# Altium PCB STguitar.PcbDoc (part 3 of 3)
Units mm, origin at the board's own origin, x right, y up, seen from the top; angles counter-clockwise.
Board outline 150 x 90 mm, 4 copper layers (Top Layer, Signal 1, Signal 2, Bottom Layer), stack 0.746 mm thick; 215 components, 199 nets, 877 pads, 342 vias.
Unrouted connection lines stored in the file: 196.
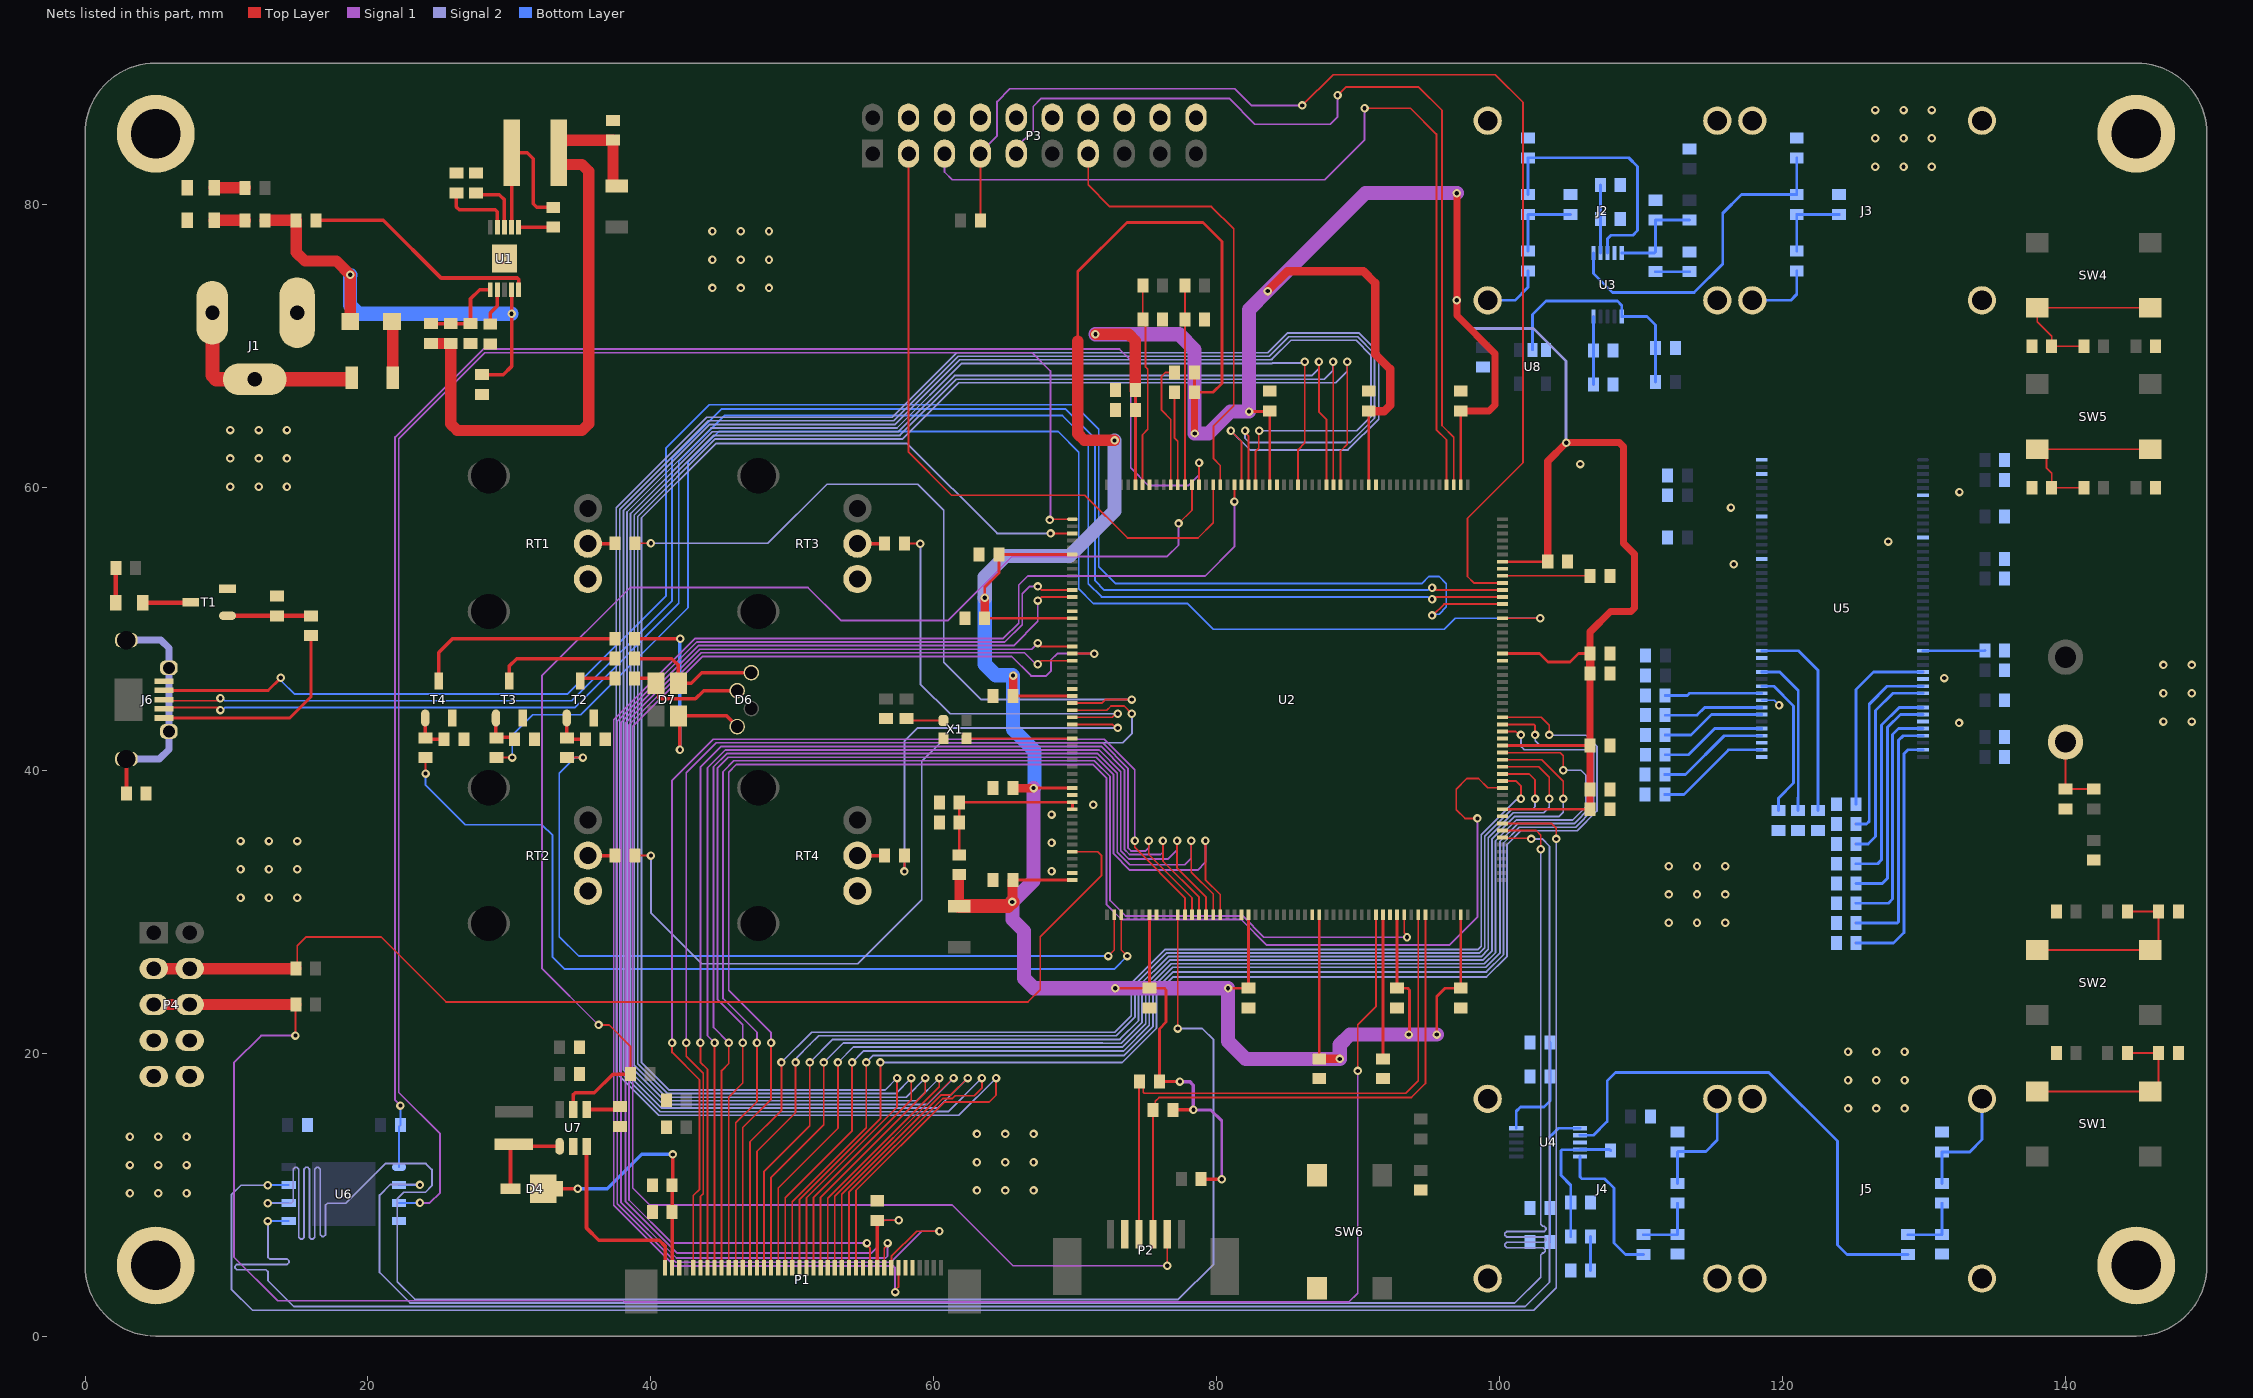
[diagram p5: the nets of this part, all layers, seen from the top]

## Via types
v1: diameter 0.6, hole 0.3, Top Layer to Bottom Layer, 342 vias

## Nets (pads, with @x,y where several pads share a name; then routed paths per layer and width w, separated by ;. In a path a pad name is that pad's centre, name@x,y a point inside that pad or via, vN(x,y) a via of type N, cw(c..) or ccw(c..) an arc to the next point about the centre after c; other vN are vias at no path point) (continued)
GND: C2.1 C4.1 C5.1 C6.1 C7.1 C8.1 C9.1 C10.1 C11.1 C12.1 C13.1 C14.1 C15.1 C16.1 C17.1 C18.1 C19.1 C20.1 C21.1 C22.1 C23.1 C24.1 C25.1 C26.1 C27.1 C28.1 C29.1 C30.1 C31.1 C32.1 C33.1 C35.1 C37.1 C38.1 C40.1 C41.1 C42.1 C43.1 C44.1 C45.1 C47.1 C49.1 C51.1 C52.1 C53.1 C54.1 C55.1 C56.1 C57.1 C58.1 C59.1 C60.1 C61.1 C62.1 C63.1 C64.1 C65.1 C66.1 C67.1 C68.1 C69.1 C70.1 C71.1 C72.1 C73.1 C74.1 C75.1 C76.1 C77.1 C78.1 C79.1 C80.1 C81.1 C82.1 D2.1 D3.1 J1.1 J2.1 J2.2 J2.4 J3.1 J3.2 J3.4 J4.1 J4.2 J4.4 J5.1 J5.2 J5.4 J6.5 MP1.0 MP2.0 MP3.0 MP4.0 P1.3 P1.29 P1.35 P1.36 P2.2 P3.4 P3.6 P3.8 P3.10 P3.12 P3.14 P3.16 P3.18 P3.20 P4.7 P4.8 P4.9 P4.10 R5.1 R6.1 R14.1 R16.1 R18.1 R19.1 R21.2 R24.1 R25.1 R27.1 R29.1 R30.2 R31.2 R32.2 R33.2 R34.2 R35.2 R36.2 R37.2 R38.2 R39.2 R40.2 R41.2 R42.2 R43.2 R44.2 R45.2 R46.1 R47.1 R49.1 R51.1 R54.1 R55.2 R62.2 R68.2 R75.2 R79.1 R80.1 R82.1 R85.1 R86.1 RT1.1 RT2.1 RT3.1 RT4.1 SW6.1 SW6.2 T1.3 T2.3 T3.3 T4.3 U1.11 U2.14 U2.25 U2.40 U2.51 U2.60 U2.72 U2.82 U2.93 U2.114 U2.125 U2.136 U2.149 U2.170 U2.184 U2.202 U3.9 U4.8 U5.6 U5.12 U5.32 U5.38 U5.44 U5.46 U5.52 U5.58 U5.72 U5.78 U5.84 U5.86 U6.4 U7.2 U8.3 X1.2 | length 1.4
  Bottom Layer w0.127: U5.52@118.525,44.95 119.4,44.95 v1(119.75,44.6)
  other v1: 3.175,10.1 5.175,10.1 7.175,10.1 63.05,10.3 65.05,10.3 67.05,10.3 3.175,12.1 5.175,12.1 7.175,12.1 63.05,12.3 65.05,12.3 67.05,12.3 3.175,14.1 5.175,14.1 7.175,14.1 63.05,14.3 65.05,14.3 67.05,14.3 124.625,16.1 126.625,16.1 128.625,16.1 124.625,18.1 126.625,18.1 128.625,18.1 124.625,20.1 126.625,20.1 128.625,20.1 111.95,29.225 113.95,29.225 115.95,29.225 11,31 13,31 15,31 111.95,31.225 113.95,31.225 115.95,31.225 68.325,32.875 11,33 13,33 15,33 111.95,33.225 113.95,33.225 115.95,33.225 68.325,34.875 11,35 13,35 15,35 68.325,36.875 71.275,37.575 132.475,43.35 146.925,43.45 148.925,43.45 146.925,45.45 148.925,45.45 131.425,46.525 146.925,47.45 148.925,47.45 116.55,54.575 127.475,56.175 116.35,58.575 132.5,59.675 10.275,60.05 12.275,60.05 14.275,60.05 105.7,61.65 10.275,62.05 12.275,62.05 14.275,62.05 10.275,64.05 12.275,64.05 14.275,64.05 44.35,74.1 46.35,74.1 48.35,74.1 44.35,76.1 46.35,76.1 48.35,76.1 44.35,78.1 46.35,78.1 48.35,78.1 126.55,82.675 128.55,82.675 130.55,82.675 126.55,84.675 128.55,84.675 130.55,84.675 126.55,86.675 128.55,86.675 130.55,86.675
I2C.SCL: P4.5 P4.6 R58.1 U2.91 | length 139.4
  Top Layer w0.127: v1(14.875,21.25) 14.875,23.425 14.895,23.445 R58.1@14.9,23.45 ; v1(89.975,18.75) 89.975,22.025 91.25,23.3 U2.91@91.25,29.8
  Top Layer w0.8: P4.5@4.86,23.445 P4.6@7.4,23.445 R58.1@14.895,23.445
  Signal 1 w0.127: v1(14.875,21.25) 12.45,21.25 10.525,19.325 10.525,5.6 13.625,2.5 38.05,2.5 38.125,2.425 89.35,2.425 89.975,3.05 v1(89.975,18.75)
I2C.SDA: P4.3 P4.4 R57.1 U2.48 | length 80.2
  Top Layer w0.127: R57.1@14.9,26 15,26.1 15,27.6 15.627,28.227 20.923,28.227 25.525,23.625 66.65,23.625 67.525,24.5 67.525,28.225 71.85,32.55 71.85,34 71.6,34.25 U2.48@69.8,34.25
  Top Layer w0.8: P4.3@4.86,25.985 P4.4@7.4,25.985 14.885,25.985 R57.1@14.9,26
JTAG.TCLK: P3.9 U2.159 | length 63.2
  Top Layer w0.127: v1(88.546,87.715) 89.131,88.301 94.27,88.301 95.925,86.646 95.925,64.375 96.75,63.55 U2.159@96.75,60.2
  Signal 1 w0.127: P3.9@65.835,83.6 65.835,84.035 67.025,85.225 67.025,86.926 67.599,87.5 80.875,87.5 82.7,85.675 88.025,85.675 88.546,86.196 v1(88.546,87.715)
JTAG.TDI: P3.5 U2.160 | length 65.5
  Top Layer w0.127: v1(90.45,86.8) 93.7,86.8 95.525,84.975 95.525,64.075 96.25,63.35 U2.160@96.25,60.2
  Signal 1 w0.127: P3.5@60.755,83.6 60.755,82.295 61.3,81.75 87.625,81.75 90.45,84.575 v1(90.45,86.8)
JTAG.TDO: P3.13 U2.192 | length 32.7
  Top Layer w0.127: P3.13@70.915,83.6 70.915,81.385 72.45,79.85 79.625,79.85 81.2,78.275 81.2,65.775 79.775,64.35 79.775,62.025 80.25,61.55 U2.192@80.25,60.2
JTAG.TMS: P3.7 R56.1 U2.147 | length 86.4
  Top Layer w0.127: P3.7@63.295,83.6 63.295,78.88 R56.1@63.3,78.875 ; v1(86.052,87.001) 88.226,89.175 99.7,89.175 101.65,87.225 101.65,61.75 97.725,57.825 97.725,53.7 98.175,53.25 U2.147@100.2,53.25
  Signal 1 w0.127: P3.7@63.295,83.6 63.295,83.67 64.475,84.85 64.475,87.275 65.375,88.175 81.275,88.175 82.449,87.001 v1(86.052,87.001)
JTAG.TRST: P3.3 U2.193 | length 48.3
  Top Layer w0.127: P3.3@58.215,83.6 58.215,62.485 61.25,59.45 70.675,59.45 73.7,56.425 78.675,56.425 79.75,57.5 U2.193@79.75,60.2
LCD.BL_CTRL: R50.2 U2.196 U7.5 | length 92.3
  Top Layer w0.127: v1(36.3,22) 37.05,22 38.55,20.5 R50.2@38.55,18.525 ; v1(77.3,57.45) 78.25,58.4 U2.196@78.25,60.2
  Top Layer w0.25: U7.5@34.5,16.025 34.5,17.05 34.65,17.2 36,17.2 37.325,18.525 R50.2@38.55,18.525
  Signal 1 w0.127: v1(36.3,22) 32.3,26 32.3,46.678 38.547,52.925 51.1,52.925 53.425,50.6 61.025,50.6 65.55,55.125 76.5,55.125 77.3,55.925 v1(77.3,57.45)
LCD.CLK: P1.30 U2.21 | length 87.4
  Top Layer w0.127: v1(55.27,6.58) 55.27,6.452 55.5,6.222 P1.30@55.5,4.85 ; v1(67.35,47.5) 67.6,47.75 U2.21@69.8,47.75
  Signal 1 w0.127: v1(55.27,6.58) 41.504,6.58 38.454,9.63 38.454,43.211 43.552,48.309 66.413,48.309 67.222,47.5 v1(67.35,47.5)
LCD.DE: P1.34 U2.190 | length 114.5
  Top Layer w0.127: v1(57.27,3.12) 57.27,3.248 57.5,3.478 P1.34@57.5,4.85 ; v1(81.25,59) 81.25,59.05 U2.190@81.25,60.2
  Signal 1 w0.127: v1(57.27,3.12) 57.25,3.141 57.25,4.85 57.129,4.971 41.645,4.971 37.371,9.245 37.371,43.564 43.132,49.325 64.916,49.325 66,50.409 66,53.1 66.636,53.736 79.186,53.736 81.25,55.8 v1(81.25,59)
LCD.DISP: P1.31 R49.2 U2.19 | length 95.3
  Top Layer w0.127: R49.2@56,8.175 56.025,8.2 v1(57.525,8.2) ; v1(67.35,49) 67.6,48.75 U2.19@69.8,48.75
  Top Layer w0.25: P1.31@56,4.85 R49.2@56,8.175
  Signal 1 w0.127: v1(57.525,8.2) 56.5,8.2 56.025,7.725 56.025,6.324 55.576,5.875 41.85,5.875 38.2,9.525 38.2,43.316 43.447,48.563 66.913,48.563 v1(67.35,49)
LCD.HSYNC: P1.32 U2.12 | length 93.7
  Top Layer w0.127: P1.32@56.5,4.85 56.5,6.222 56.73,6.452 v1(56.73,6.58) ; v1(67.35,52) 67.6,52.25 U2.12@69.8,52.25
  Signal 1 w0.127: v1(56.73,6.58) 56.73,5.655 56.6,5.525 41.809,5.525 37.879,9.455 37.879,43.354 43.342,48.817 65.642,48.817 67.35,50.525 v1(67.35,52)
LCD.INT: P2.5 U2.20 | length 112.8
  Top Layer w0.127: U2.20@69.8,48.25 v1(71.35,48.25) ; v1(76.5,4.975) P2.5@76.5,7.2
  Signal 1 w0.127: v1(71.35,48.25) 68.725,48.25 68.275,47.8 68.275,47 67.95,46.675 66.875,46.675 65.495,48.055 43.658,48.055 38.725,43.122 38.725,10.475 39.925,9.275 61.3,9.275 65.6,4.975 v1(76.5,4.975)
LCD.SCL: P2.3 R10.1 U2.97 | length 43.2
  Top Layer w0.127: P2.3@74.5,7.2 74.5,17.95 74.801,17.649 74.801,17.249 74.802,17.248 74.875,17.175 93.375,17.175 94.25,18.05 U2.97@94.25,29.8
LCD.SDA: P2.4 R9.1 U2.98 | length 41
  Top Layer w0.127: P2.4@75.5,7.2 R9.1@75.5,16 75.65,16.15 75.65,16.6 75.925,16.875 93.762,16.875 94.75,17.863 U2.98@94.75,29.8
LCD.VSYNC: P1.33 U2.11 | length 101.9
  Top Layer w0.127: P1.33@57,4.85 57,5.64 58.785,7.425 v1(60.4,7.425) ; v1(67.35,53) 67.6,52.75 U2.11@69.8,52.75
  Signal 1 w0.127: v1(60.4,7.425) 59.15,7.425 56.95,5.225 41.75,5.225 37.625,9.35 37.625,43.459 43.237,49.071 65.021,49.071 66.254,50.304 66.254,52.479 66.775,53 v1(67.35,53)
LCD_B0: P1.21 U2.3 | length 109
  Top Layer w0.127: P1.21@51,4.85 51,9.782 57.4,16.182 v1(57.4,18.25) ; v1(68.25,56.75) U2.3@69.8,56.75
  Signal 2 w0.127: v1(57.4,18.25) 56.55,17.4 41.3,17.4 39.328,19.372 39.328,57.839 44.589,63.1 58.125,63.1 64.475,56.75 v1(68.25,56.75)
LCD_B1: P1.22 U2.175 | length 139.5
  Top Layer w0.127: P1.22@51.5,4.85 51.5,9.825 58.4,16.725 v1(58.4,18.25) ; U2.175@88.75,60.2 88.75,62.575 89.225,63.05 v1(89.225,68.875)
  Signal 2 w0.127: v1(58.4,18.25) 57.296,17.146 41.195,17.146 39.074,19.267 39.074,57.944 44.555,63.425 57.8,63.425 61.771,67.396 88.421,67.396 89.225,68.2 v1(89.225,68.875)
LCD_B2: P1.23 U2.176 | length 140.4
  Top Layer w0.127: P1.23@52,4.85 52,9.809 59.4,17.209 v1(59.4,18.25) ; v1(88.225,68.875) 88.237,68.863 88.237,60.212 U2.176@88.25,60.2
  Signal 2 w0.127: v1(59.4,18.25) 58.042,16.892 41.09,16.892 38.82,19.162 38.82,58.049 44.45,63.679 57.604,63.679 61.575,67.65 87.6,67.65 88.225,68.275 v1(88.225,68.875)
LCD_B3: P1.24 U2.177 | length 141.5
  Top Layer w0.127: P1.24@52.5,4.85 52.5,9.75 60.384,17.634 60.384,18.234 v1(60.4,18.25) ; v1(87.225,68.875) 87.225,65.35 87.75,64.825 U2.177@87.75,60.2
  Signal 2 w0.127: v1(60.4,18.25) 58.788,16.638 40.984,16.638 38.566,19.056 38.566,58.154 44.345,63.933 57.499,63.933 61.47,67.904 86.725,67.904 87.206,68.385 87.206,68.856 v1(87.225,68.875)
LCD_B4: P1.25 U2.181 | length 142.3
  Top Layer w0.127: P1.25@53,4.85 53,9.891 61.359,18.25 v1(61.4,18.25) ; U2.181@85.75,60.2 85.75,62.675 86.225,63.15 v1(86.225,68.875)
  Signal 2 w0.127: v1(61.4,18.25) 59.529,16.379 40.884,16.379 38.312,18.951 38.312,58.259 44.253,64.2 57.4,64.2 61.963,68.763 83.916,68.763 83.949,68.796 86.146,68.796 v1(86.225,68.875)
LCD_B5: P1.26 U2.187 | length 158.2
  Top Layer w0.127: P1.26@53.5,4.85 53.5,10.032 60.526,17.058 61.208,17.058 v1(62.4,18.25) ; U2.187@82.75,60.2 82.75,62.55 82.975,62.775 82.975,63.975 v1(83,64)
  Signal 2 w0.127: v1(62.4,18.25) 60.279,16.129 59.62,16.129 59.616,16.125 40.779,16.125 38.058,18.846 38.058,58.365 44.147,64.454 57.279,64.454 61.842,69.017 83.81,69.017 83.843,69.05 83.9,69.05 85.25,70.4 89.85,70.4 90.9,69.35 90.9,64.993 89.907,64 v1(83,64)
LCD_B6: P1.27 U2.188 | length 163.9
  Top Layer w0.127: P1.27@54,4.85 54,10.172 60.632,16.804 61.313,16.804 61.509,17 62.866,17 63.4,17.534 v1(63.4,18.25) ; v1(82,64) 82,63.872 82.25,63.622 U2.188@82.25,60.2
  Signal 2 w0.127: v1(63.4,18.25) 61.025,15.875 59.725,15.875 59.721,15.871 40.674,15.871 37.804,18.741 37.804,58.47 44.042,64.708 57.174,64.708 61.737,69.271 83.705,69.271 85.088,70.654 89.955,70.654 91.154,69.455 91.154,64.888 89.441,63.175 82.3,63.175 82,63.475 v1(82,64)
LCD_B7: P1.28 U2.189 | length 168.8
  Top Layer w0.127: P1.28@54.5,4.85 54.5,10.313 60.737,16.55 63.9,16.55 64.4,17.05 v1(64.4,18.25) ; v1(81,64) 81.75,63.25 U2.189@81.75,60.2
  Signal 2 w0.127: v1(64.4,18.25) 61.771,15.621 59.83,15.621 59.826,15.617 40.569,15.617 37.55,18.636 37.55,58.575 43.937,64.962 57.069,64.962 61.632,69.525 83.6,69.525 84.983,70.908 90.06,70.908 91.458,69.511 91.458,64.833 89.275,62.65 82.35,62.65 v1(81,64)
LCD_BL_A: C73.2 C74.2 D4.2 P1.2 | length 18.3
  Top Layer w0.25: D4.2@32.387,10.425 D4.2@33.55,10.425 v1(34.825,10.425) ; P1.2@41.5,4.85 C73.2@41.5,10.675 41.55,10.625 v1(41.55,12.85)
  Bottom Layer w0.25: v1(34.825,10.425) 36.925,10.425 39.35,12.85 v1(41.55,12.85)
LCD_BL_K: P1.1 U7.3 | length 13.4
  Top Layer w0.25: U7.3@35.45,13.425 35.45,7.65 36.325,6.775 40.6,6.775 41,6.375 P1.1@41,4.85
LCD_G0: P1.13 U2.119 | length 83.7
  Top Layer w0.127: P1.13@47,4.85 47,13.725 49.225,15.95 v1(49.225,19.35) ; U2.119@100.2,39.25 101.15,39.25 101.5,38.9 v1(101.5,38)
  Signal 2 w0.127: v1(49.225,19.35) 51.362,21.487 72.795,21.487 73.963,22.655 73.963,24.95 76.358,27.345 98.477,27.345 98.692,27.56 98.692,35.438 100.762,37.508 101.163,37.909 101.409,37.909 v1(101.5,38)
LCD_G1: P1.14 U2.120 | length 85.9
  Top Layer w0.127: P1.14@47.5,4.85 47.5,13.075 50.225,15.8 v1(50.225,19.35) ; U2.120@100.2,39.75 102.075,39.75 102.5,39.325 v1(102.5,38)
  Signal 2 w0.127: v1(50.225,19.35) 50.316,19.441 50.316,19.691 51.25,20.625 51.858,21.233 72.9,21.233 74.217,22.55 74.217,24.845 76.463,27.091 98.582,27.091 98.946,27.455 98.946,35.333 100.867,37.254 102.325,37.254 102.5,37.429 v1(102.5,38)
LCD_G2: P1.15 U2.121 | length 87.4
  Top Layer w0.127: P1.15@48,4.85 48,11.65 51.225,14.875 v1(51.225,19.35) ; U2.121@100.2,40.25 102.775,40.25 103.5,39.525 v1(103.5,38)
  Signal 2 w0.127: v1(51.225,19.35) 52.854,20.979 73.158,20.979 74.471,22.292 74.471,24.739 76.569,26.837 98.687,26.837 99.2,27.35 99.2,35.228 100.972,37 103.117,37 103.5,37.383 v1(103.5,38)
LCD_G3: P1.16 U2.122 | length 88.8
  Top Layer w0.127: P1.16@48.5,4.85 48.5,11.225 52.225,14.95 v1(52.225,19.35) ; U2.122@100.2,40.75 102.975,40.75 104.5,39.225 v1(104.5,38)
  Signal 2 w0.127: v1(52.225,19.35) 53.6,20.725 71.929,20.725 71.95,20.704 73.242,20.704 74.725,22.187 74.725,24.634 76.674,26.583 98.815,26.583 99.454,27.222 99.454,35.122 101.078,36.746 104.217,36.746 104.5,37.029 v1(104.5,38)
LCD_G4: P1.17 U2.123 | length 92.1
  Top Layer w0.127: P1.17@49,4.85 49,10.475 53.225,14.7 v1(53.225,19.35) ; U2.123@100.2,41.25 104.275,41.25 104.5,41.025 v1(104.5,40)
  Signal 2 w0.127: v1(53.225,19.35) 54.325,20.45 73.347,20.45 74.979,22.082 74.979,24.529 76.779,26.329 98.92,26.329 99.708,27.117 99.708,35.017 101.183,36.492 105.164,36.492 106.103,37.431 106.103,39.647 105.75,40 v1(104.5,40)
LCD_G5: P1.18 U2.126 | length 93.4
  Top Layer w0.127: P1.18@49.5,4.85 49.5,9.8 54.225,14.525 v1(54.225,19.35) ; U2.126@100.2,42.75 101.122,42.75 101.372,42.5 v1(101.5,42.5)
  Signal 2 w0.127: v1(54.225,19.35) 55.025,20.15 73.407,20.15 75.233,21.976 75.233,24.424 76.884,26.075 99.025,26.075 100.017,27.067 100.017,34.967 101.288,36.238 105.27,36.238 106.375,37.343 106.375,41.376 106.301,41.45 101.75,41.45 101.55,41.65 101.5,41.7 v1(101.5,42.5)
LCD_G6: P1.19 U2.127 | length 93.6
  Top Layer w0.127: P1.19@50,4.85 50,9.5 55.225,14.725 v1(55.225,19.35) ; U2.127@100.2,43.25 102.425,43.25 102.5,43.175 v1(102.5,42.5)
  Signal 2 w0.127: v1(55.225,19.35) 55.725,19.85 73.466,19.85 75.487,21.871 75.487,24.319 76.918,25.75 99.059,25.75 100.271,26.962 100.271,34.862 101.393,35.984 105.375,35.984 106.629,37.238 106.629,41.481 106.335,41.775 102.825,41.775 102.516,42.084 102.516,42.484 v1(102.5,42.5)
LCD_G7: P1.20 U2.128 | length 93.5
  Top Layer w0.127: P1.20@50.5,4.85 50.5,9.641 56.225,15.366 v1(56.225,19.35) ; U2.128@100.2,43.75 102.95,43.75 103.5,43.2 v1(103.5,42.5)
  Signal 2 w0.127: v1(56.225,19.35) 73.325,19.35 75.741,21.766 75.741,24.213 76.928,25.4 99.068,25.4 100.525,26.857 100.525,34.757 101.498,35.73 105.48,35.73 106.883,37.133 106.883,41.694 106.102,42.475 103.525,42.475 v1(103.5,42.5)
LCD_R0: P1.5 U2.64 | length 82
  Top Layer w0.127: v1(41.5,20.75) 41.5,20.058 43.446,18.112 43.446,10.389 43,9.943 P1.5@43,4.85 ; v1(74.214,35.025) 74.2,35.01 74.2,34.55 77.75,31 U2.64@77.75,29.8
  Signal 1 w0.127: v1(41.5,20.75) 41.5,39.3 44.399,42.199 72.035,42.199 74.2,40.034 74.2,35.04 v1(74.214,35.025)
LCD_R1: P1.6 U2.65 | length 82.7
  Top Layer w0.127: v1(42.5,20.75) 42.5,19.775 43.7,18.575 43.7,10.075 43.5,9.875 P1.6@43.5,4.85 ; v1(75.2,35.025) 75.2,34.05 78.25,31 U2.65@78.25,29.8
  Signal 1 w0.127: v1(42.5,20.75) 42.5,39.825 44.62,41.945 71.93,41.945 73.724,40.151 73.724,34.519 73.939,34.304 74.975,34.304 75.2,34.529 v1(75.2,35.025)
LCD_R2: P1.7 U2.66 | length 82.5
  Top Layer w0.127: v1(43.5,20.75) 43.5,19.375 44,18.875 P1.7@44,4.85 ; v1(76.2,35.025) 76.2,33.575 78.75,31.025 U2.66@78.75,29.8
  Signal 1 w0.127: v1(43.5,20.75) 43.5,40.225 44.966,41.691 71.825,41.691 73.47,40.046 73.47,34.414 73.834,34.05 76.025,34.05 76.2,34.225 v1(76.2,35.025)
LCD_R3: P1.8 U2.67 | length 82.7
  Top Layer w0.127: P1.8@44.5,4.85 v1(44.5,20.75) ; v1(77.2,35.025) 77.2,33.075 79.25,31.025 U2.67@79.25,29.8
  Signal 1 w0.127: v1(44.5,20.75) 44,21.25 44,40.178 45.259,41.437 71.684,41.437 73.216,39.905 73.216,34.308 73.799,33.725 76.525,33.725 77.2,34.4 v1(77.2,35.025)
LCD_R4: P1.9 U2.68 | length 84
  Top Layer w0.127: P1.9@45,4.85 45,18.775 45.5,19.275 v1(45.5,20.75) ; v1(78.2,35.025) 78.2,32.809 79.75,31.259 U2.68@79.75,29.8
  Signal 1 w0.127: v1(45.5,20.75) 44.425,21.825 44.425,40.244 45.364,41.183 71.579,41.183 72.962,39.8 72.962,34.203 73.84,33.325 77.727,33.325 78.2,33.798 v1(78.2,35.025)
LCD_R5: P1.10 U2.69 | length 85.3
  Top Layer w0.127: P1.10@45.5,4.85 45.5,16.9 46.5,17.9 v1(46.5,20.75) ; v1(79.2,35.025) 79.2,32.275 80.25,31.225 U2.69@80.25,29.8
  Signal 1 w0.127: v1(46.5,20.75) 46.5,22.025 44.7,23.825 44.7,40.16 45.469,40.929 71.474,40.929 72.708,39.695 72.708,34.098 73.856,32.95 78.65,32.95 79.2,33.5 v1(79.2,35.025)
LCD_R6: P1.11 U2.95 | length 97.3
  Top Layer w0.127: P1.11@46,4.85 46,15.075 47.5,16.575 v1(47.5,20.75) ; U2.95@93.25,29.8 93.25,28.528 93.45,28.328 v1(93.45,28.2)
  Signal 1 w0.127: v1(47.5,20.75) 47.5,21.475 45.1,23.875 45.1,39.906 45.869,40.675 71.35,40.675 72.454,39.571 72.454,30.805 73.551,29.708 81.826,29.708 83.334,28.2 v1(93.45,28.2)
LCD_R7: P1.12 U2.118 | length 115.6
  Top Layer w0.127: P1.12@46.5,4.85 46.5,14.75 48.5,16.75 v1(48.5,20.75) ; v1(98.425,36.6) 97.55,36.6 96.925,37.225 96.925,38.675 97.675,39.425 98.503,39.425 99.153,38.775 100.175,38.775 U2.118@100.2,38.75
  Signal 1 w0.127: v1(48.5,20.75) 48.5,21.45 45.5,24.45 45.5,39.871 46.05,40.421 71.245,40.421 71.295,40.371 72.2,39.466 72.2,30.52 73.266,29.454 81.721,29.454 83.525,27.65 96.45,27.65 98.425,29.625 v1(98.425,36.6)
LED_B: R61.2 U2.54 | length 57.3
  Top Layer w0.127: R61.2@34.075,40.9 v1(35.2,40.9) ; v1(72.325,26.875) 72.75,27.3 U2.54@72.75,29.8
  Bottom Layer w0.127: v1(35.2,40.9) 34.625,40.9 33.525,39.8 33.525,28.25 34.9,26.875 v1(72.325,26.875)
LED_G: R67.2 U2.142 | length 104.7
  Top Layer w0.127: R67.2@29.075,40.9 v1(30.2,40.9) ; U2.142@100.2,50.75 v1(102.875,50.75)
  Bottom Layer w0.127: v1(30.2,40.9) 30.2,42.475 31.65,43.925 35.05,43.925 42.625,51.5 42.625,61.775 44.8,63.95 68.8,63.95 70.25,62.5 70.25,52.825 71.287,51.788 77.937,51.788 79.746,49.979 96.095,49.979 96.866,50.75 v1(102.875,50.75)
LED_R: R74.2 U2.55 | length 65.5
  Top Layer w0.127: v1(24.075,39.775) R74.2@24.075,40.9 ; U2.55@73.25,29.8 73.25,27.3 v1(73.675,26.875)
  Bottom Layer w0.127: v1(24.075,39.775) 24.075,38.95 26.875,36.15 32.3,36.15 33.05,35.4 33.05,26.8 33.9,25.95 72.75,25.95 v1(73.675,26.875)
NetC1_1: C1.1 U1.1 | length 2.5
  Top Layer w0.25: U1.1@30.65,78.387 30.663,78.4 C1.1@33.1,78.4
NetC1_2: C1.2 L1.1 U1.2 | length 11.7
  Top Layer w0.25: U1.2@30.15,78.387 30.15,83.63 L1.1@30.17,83.65 31.25,83.65 31.675,83.225 31.675,80.05 31.925,79.8 C1.2@33.1,79.8
NetC2_2: C2.2 D1.2 R1.1 R2.2 U1.9 | length 33.8
  Top Layer w0.25: C2.2@28.075,67.975 29.575,67.975 30.15,68.55 v1(30.15,72.275) U1.9@30.15,73.963
  Top Layer w0.8: R2.2@12.725,78.875 R1.1@14.925,78.875 14.925,76.625 15.55,76 17.775,76 v1(18.75,75.025) D1.2@18.75,71.725
  Bottom Layer w1: v1(18.75,75.025) 18.725,75 18.725,72.875 19.325,72.275 v1(30.15,72.275)
NetC3_1: C3.1 R4.1 R6.2 U1.6 | length 6.2
  Top Layer w0.25: R4.1@24.45,71.575 C3.1@25.85,71.575 R6.2@27.25,71.575 27.25,73.325 27.9,73.975 U1.6@28.65,73.975
NetC3_2: C3.2 C6.2 F2.1 L1.2 R4.2 | length 45.9
  Top Layer w0.8: R4.2@24.45,70.175 C3.2@25.85,70.175 25.85,64.494 26.319,64.025 35.131,64.025 35.6,64.494 35.6,82.356 35.131,82.825 33.67,82.825 33.48,83.015 33.48,84.023 34.007,84.55 C6.2@37.325,84.55 37.325,81.575 F2.1@37.6,81.3
NetC4_2: C4.2 U1.3 | length 4.1
  Top Layer w0.25: C4.2@27.65,80.825 27.775,80.7 29.275,80.7 29.65,80.325 U1.3@29.65,78.387
NetC5_2: C5.2 U1.7 | length 2.6
  Top Layer w0.25: C5.2@28.65,71.55 28.65,72.325 29.15,72.825 U1.7@29.15,73.975
NetC31_2: C31.2 U2.92 | length 10.2
  Top Layer w0.2: C31.2@91.75,19.6 U2.92@91.75,29.8
NetC32_2: C32.2 U2.148 | length 6.2
  Top Layer w0.127: U2.148@100.2,53.75 C32.2@106.4,53.75
NetC34_1: C34.1 R18.2 | length 2.4
  Bottom Layer w0.2: C34.1@111.025,75.25 R18.2@113.425,75.25
NetC34_2: C34.2 C35.2 L3.2 U3.10 | length 7.1
  Bottom Layer w0.2: U3.10@108.625,76.575 110.95,76.575 C34.2@111.025,76.65 C35.2@111.025,78.9 L3.2@113.425,78.9
NetC36_1: C36.1 C37.2 U3.8 | length 18.5
  Bottom Layer w0.2: C36.1@102,80.7 C37.2@102,83.3 109.125,83.3 109.75,82.675 109.75,78.15 109.425,77.825 107.875,77.825 107.625,77.575 U3.8@107.625,76.575
NetC36_2: C36.2 R17.1 R19.2 | length 5.6
  Bottom Layer w0.2: R17.1@102,76.7 C36.2@102,79.3 R19.2@105,79.3
NetC39_1: C39.1 C44.2 U3.6 | length 23.9
  Bottom Layer w0.2: U3.6@106.625,76.575 106.625,75.125 107.975,73.775 113.75,73.775 115.775,75.8 115.775,79.375 117.1,80.7 C39.1@121,80.7 C44.2@121,83.3
NetC39_2: C39.2 R23.1 R24.2 | length 5.6
  Bottom Layer w0.2: R23.1@121,76.7 C39.2@121,79.3 R24.2@124,79.3
NetC40_2: C40.2 C41.2 U3.7 | length 4.8
  Bottom Layer w0.2: U3.7@107.125,76.575 C41.2@107.125,78.975 C40.2@107.125,81.375
NetC42_2: C42.2 C43.2 U3.5 | length 4.8
  Bottom Layer w0.2: C42.2@106.625,67.275 C43.2@106.625,69.675 U3.5@106.625,72.075
NetC46_1: C46.1 R25.2 | length 2.4
  Bottom Layer w0.2: R25.2@106.425,4.65 C46.1@106.425,7.05
NetC46_2: C46.2 C47.2 L4.2 U4.9 | length 9.9
  Bottom Layer w0.2: C46.2@105.025,7.05 C47.2@105.025,9.45 105.025,10.675 104.325,11.375 104.325,13.111 104.399,13.185 105.66,13.185 U4.9@105.675,13.2 107.775,13.2 L4.2@107.85,13.125
NetC48_1: C48.1 U4.10 | length 10.5
  Bottom Layer w0.2: U4.10@105.675,12.7 105.675,11.272 105.822,11.124 107.426,11.124 108.075,10.475 108.075,6.6 108.9,5.775 C48.1@110.175,5.775
NetC48_2: C48.2 R26.1 R27.2 | length 4.6
  Bottom Layer w0.2: C48.2@110.175,7.175 112.55,7.175 R27.2@112.575,7.2 R26.1@112.575,9.4
NetC49_2: C49.2 J4.3 R26.2 | length 8.3
  Bottom Layer w0.2: R26.2@112.575,10.8 C49.2@112.575,13.025 112.6,13.05 114.575,13.05 115.386,13.861 J4.3@115.386,16.78
NetC50_1: C50.1 U4.7 | length 36.4
  Bottom Layer w0.2: U4.7@105.675,14.2 106.625,14.2 107.6,15.175 107.6,18.05 108.2,18.65 119.025,18.65 123.875,13.8 123.875,6.45 124.55,5.775 C50.1@128.875,5.775
NetC50_2: C50.2 R28.1 R29.2 | length 4.6
  Bottom Layer w0.2: C50.2@128.875,7.175 131.25,7.175 R29.2@131.275,7.2 R28.1@131.275,9.4
NetC51_2: C51.2 C52.2 U4.5 | length 8
  Bottom Layer w0.2: U4.5@101.175,14.7 101.175,15.9 101.475,16.2 103.125,16.2 103.55,16.625 C52.2@103.55,18.35 C51.2@103.55,20.75
NetC53_2: C53.2 C54.2 U4.6 | length 9.8
  Bottom Layer w0.127: C54.2@103.55,6.65 C53.2@103.55,9.05 103.55,14.1
  Bottom Layer w0.2: 103.55,14.1 104.15,14.7 U4.6@105.675,14.7
NetC55_2: C55.2 J5.3 R28.2 | length 8.3
  Bottom Layer w0.2: R28.2@131.275,10.8 C55.2@131.275,13.025 133.225,13.025 134.1,13.9 134.1,16.771 J5.3@134.091,16.78
NetD1_1: D1.1 F1.2 | length 4
  Top Layer w0.127: D1.1@21.7,71.725 D1.1@21.75,71.675
  Top Layer w0.8: F1.2@21.75,67.75 D1.1@21.75,71.675
NetD2_2: D2.2 R2.1 | length 2.2
  Top Layer w0.8: D2.2@9.125,78.875 R2.1@11.325,78.875
NetD3_2: D3.2 R3.1 | length 2.2
  Top Layer w0.8: D3.2@9.125,81.175 R3.1@11.325,81.175
NetD4_1: D4.1 L5.2 U7.1 | length 6.6
  Top Layer w0.25: D4.1@30.077,10.425 30.077,13.353 L5.2@30.3,13.575 30.45,13.425 U7.1@33.55,13.425
NetD5_1: D5.1 T1.2 | length 3.4
  Top Layer w0.3: D5.1@4.075,51.85 7.45,51.85 T1.2@7.475,51.875
NetD5_2: D5.2 R52.1 | length 2.5
  Top Layer w0.3: D5.2@2.175,51.85 R52.1@2.175,54.3
NetD6_1: D6.1 D7.2 R69.2 | length 18
  Top Layer w0.25: R69.2@38.85,49.3 v1(42.075,49.3) ; v1(42.05,41.45) 42.05,43.75 D7.2@41.95,43.85 45.345,43.85 D6.1@46.1,43.095
  Bottom Layer w0.25: v1(42.05,41.45) 42.05,49.275 v1(42.075,49.3)
NetD6_3: D6.3 D7.4 R59.2 | length 8.6
  Top Layer w0.25: R59.2@38.85,46.5 40,46.5 D7.4@40.35,46.15 40.551,45.949 40.551,45.124 40.575,45.1 40.625,45.05 43.15,45.05 43.735,45.635 D6.3@46.1,45.635
NetD6_4: D6.4 D7.3 R63.2 | length 10
  Top Layer w0.25: R63.2@38.85,47.9 41.475,47.9 41.95,47.425 D7.3@41.95,46.15 42.85,46.15 43.605,46.905 D6.4@47.1,46.905
NetF1_1: F1.1 J1.2 J1.3 | length 14.3
  Top Layer w1: J1.2@9,72.35 9,67.925 9.275,67.65 J1.3@12,67.65 F1.1@18.75,67.65
NetJ2_3: J2.3 R17.2 | length 4.4
  Bottom Layer w0.2: J2.3@99.156,73.224 101.074,73.224 102,74.15 R17.2@102,75.3
NetJ3_3: J3.3 R23.2 | length 5
  Bottom Layer w0.2: J3.3@117.861,73.224 120.574,73.224 121,73.65 R23.2@121,75.3
NetJ6_1: J6.1 R53.2 | length 15.3
  Top Layer w0.2: J6.1@5.575,43.7 14.475,43.7 15.975,45.2 R53.2@15.975,49.525
NetJ6_6: J6.6 R54.2 | length 16.1
  Top Layer w0.3: R54.2@2.925,38.375 J6.6@2.925,40.8
  Signal 2 w0.5: J6.6@2.925,40.8 5.25,40.8 5.925,41.475 J6.6@5.925,42.75 J6.6@5.925,47.25 5.925,48.65 5.375,49.2 J6.6@2.925,49.2
NetR1_2: R1.2 U1.10 | length 16.8
  Top Layer w0.25: R1.2@16.325,78.875 21.093,78.875 25.166,74.802 30.551,74.802 30.65,74.702 U1.10@30.65,73.963
NetR5_2: R5.2 U1.4 | length 5.1
  Top Layer w0.25: R5.2@26.25,80.825 26.25,79.825 26.45,79.625 29,79.625 29.15,79.475 U1.4@29.15,78.387
NetR7_1: R7.1 U2.199 | length 9
  Top Layer w0.127: U2.199@76.75,60.2 76.75,64.8 76.1,65.45 76.1,67.85 76.375,68.125 R7.1@77.025,68.125
NetR8_1: R8.1 U2.198 | length 6.6
  Top Layer w0.127: R8.1@77.025,66.725 77.025,63.482 77.25,63.257 U2.198@77.25,60.2
NetR11_1: R11.1 X1.1 | length 2.7
  Top Layer w0.127: R11.1@58.075,43.65 58.2,43.525 X1.1@60.675,43.525
NetR13_2: R13.2 R14.2 U2.203 | length 14.4
  Top Layer w0.127: U2.203@74.75,60.2 74.75,63.725 75.125,64.1 75.125,68.362 74.975,68.512 74.975,71.675 R14.2@74.775,71.875 R13.2@74.775,74.275
NetR15_2: R15.2 R16.2 U2.197 | length 14.1
  Top Layer w0.127: U2.197@77.75,60.2 R16.2@77.75,71.875 R15.2@77.75,74.275
NetR20_1: R20.1 R21.1 U3.1 U8.2 | length 16.8
  Bottom Layer w0.2: U8.2@102.325,69.725 102.325,72.225 103.275,73.175 108.325,73.175 108.625,72.875 U3.1@108.625,72.075 110.425,72.075 111.025,71.475 R21.1@111.025,69.85 R20.1@111.025,67.45
NetR30_1: R30.1 U5.56 | length 11.6
  Bottom Layer w0.2: U5.56@118.525,46.95 119.8,46.95 121.102,45.648 121.102,38.09 121.1,38.088 R30.1@121.1,37.15
NetR31_1: R31.1 U5.54 | length 10.7
  Bottom Layer w0.2: U5.54@118.525,45.95 119.375,45.95 120.775,44.55 120.775,39.45 120.775,39.1 119.7,38.025 R31.1@119.7,37.15
NetR32_1: R32.1 U5.53 | length 6.9
  Bottom Layer w0.2: R32.1@111.7,45.3 113.275,45.3 113.425,45.45 U5.53@118.525,45.45
NetR33_1: R33.1 U5.51 | length 7.1
  Bottom Layer w0.2: R33.1@111.7,43.9 113.95,43.9 114.5,44.45 U5.51@118.525,44.45
NetR34_1: R34.1 U5.50 | length 7.4
  Bottom Layer w0.2: R34.1@111.7,42.5 113.525,42.5 114.975,43.95 U5.50@118.525,43.95
NetR35_1: R35.1 U5.48 | length 7.6
  Bottom Layer w0.2: R35.1@111.7,41.1 113.35,41.1 115.2,42.95 U5.48@118.525,42.95
NetR36_1: R36.1 U5.47 | length 8
  Bottom Layer w0.2: R36.1@111.675,39.7 113.125,39.7 115.875,42.45 U5.47@118.525,42.45
NetR37_1: R37.1 U5.45 | length 8.2
  Bottom Layer w0.2: R37.1@111.675,38.3 113.025,38.3 116.175,41.45 U5.45@118.525,41.45
NetR38_1: R38.1 U5.42 | length 17.8
  Bottom Layer w0.2: R38.1@125.2,27.8 127.85,27.8 128.575,28.525 128.575,41.175 128.85,41.45 U5.42@129.925,41.45
NetR39_1: R39.1 U5.40 | length 17.7
  Bottom Layer w0.2: R39.1@125.2,29.2 128.126,29.2 128.2,29.274 128.2,42.125 128.525,42.45 U5.40@129.925,42.45
NetR40_1: R40.1 U5.39 | length 16.7
  Bottom Layer w0.2: R40.1@125.2,30.6 127.475,30.6 127.775,30.9 127.775,42.525 128.2,42.95 U5.39@129.925,42.95
NetR41_1: R41.1 U5.37 | length 15.9
  Bottom Layer w0.2: R41.1@125.2,32 127.05,32 127.425,32.375 127.425,43.05 128.325,43.95 U5.37@129.925,43.95
NetR42_1: R42.1 U5.36 | length 14.9
  Bottom Layer w0.2: R42.1@125.2,33.4 126.725,33.4 127,33.675 127,43.2 128.25,44.45 U5.36@129.925,44.45
NetR43_1: R43.1 U5.34 | length 14.3
  Bottom Layer w0.2: R43.1@125.2,34.8 126.05,34.8 126.575,35.325 126.575,44.225 127.8,45.45 U5.34@129.925,45.45
NetR44_1: R44.1 U5.33 | length 13.6
  Bottom Layer w0.2: R44.1@125.2,36.2 125.925,36.2 126.125,36.4 126.125,44.675 127.4,45.95 U5.33@129.925,45.95
NetR45_1: R45.1 U5.31 | length 13.4
  Bottom Layer w0.2: R45.1@125.2,37.6 125.2,45.725 126.425,46.95 U5.31@129.925,46.95
NetR46_2: R46.2 U5.59 | length 14.5
  Bottom Layer w0.2: U5.59@118.525,48.45 121.125,48.45 122.5,47.075 R46.2@122.5,37.15
NetR47_2: R47.2 U5.28 | length 4.4
  Bottom Layer w0.2: U5.28@129.925,48.45 134.275,48.45 R47.2@134.3,48.475
NetR51_2: R51.2 U7.4 | length 2.5
  Top Layer w0.25: U7.4@35.45,16.025 37.625,16.025 R51.2@37.825,16.225
NetR53_1: R53.1 R55.1 T1.1 | length 5.9
  Top Layer w0.3: T1.1@10.075,50.925 R55.1@13.575,50.925 13.8,50.925 R53.1@15.975,50.925
NetR59_1: R59.1 T2.2 | length 2.5
  Top Layer w0.25: T2.2@35,46.3 35.2,46.5 R59.1@37.45,46.5
NetR60_2: R60.2 RT1.2 | length 1.9
  Top Layer w0.25: RT1.2@35.55,56.025 37.45,56.025 R60.2@37.475,56.05
NetR61_1: R61.1 R62.1 T2.1 | length 2.8
  Top Layer w0.25: T2.1@34.05,43.7 34.05,42.325 R61.1@34.075,42.3 34.175,42.2 R62.1@35.375,42.2
NetR63_1: R63.1 T3.2 | length 8.7
  Top Layer w0.25: T3.2@30,46.3 30,47.375 30.525,47.9 R63.1@37.45,47.9
NetR64_2: R64.2 RT2.2 | length 1.9
  Top Layer w0.25: RT2.2@35.55,33.975 R64.2@37.475,33.975
NetR67_1: R67.1 R68.1 T3.1 | length 2.8
  Top Layer w0.25: T3.1@29.05,43.7 29.05,42.325 30.25,42.325 R68.1@30.375,42.2
NetR69_1: R69.1 T4.2 | length 14.9
  Top Layer w0.25: T4.2@25,46.3 25,48.325 25.975,49.3 R69.1@37.45,49.3
NetR73_2: R73.2 RT3.2 | length 1.9
  Top Layer w0.25: RT3.2@54.6,56.025 R73.2@56.525,56.025
NetR74_1: R74.1 R75.1 T4.1 | length 2.8
  Top Layer w0.25: T4.1@24.05,43.7 24.05,42.325 R74.1@24.075,42.3 24.175,42.2 R75.1@25.375,42.2
NetR76_2: R76.2 RT4.2 | length 1.9
  Top Layer w0.25: RT4.2@54.6,33.975 R76.2@56.525,33.975
NetR77_1: R77.1 R79.2 SW1.1 SW1.2 | length 13.2
  Top Layer w0.127: SW1.1@138,17.3 SW1.2@146,17.3 146.575,17.875 R79.2@146.575,20.025 R77.1@144.375,20.025
NetR78_1: R78.1 R80.2 SW2.1 SW2.2 | length 13.2
  Top Layer w0.127: SW2.1@138,27.3 SW2.2@146,27.3 146.575,27.875 R80.2@146.575,30.025 R78.1@144.375,30.025
NetR81_1: R81.1 R82.2 SW3.1 | length 5.3
  Top Layer w0.127: SW3.1@140,42 R82.2@140,38.675 R81.1@142,38.675
NetR83_1: R83.1 R85.2 SW4.1 SW4.2 | length 13.4
  Top Layer w0.127: R83.1@141.3,69.975 R85.2@139.025,69.975 139.025,70.7 138,71.725 SW4.2@138,72.7 SW4.1@146,72.7
NetR84_1: R84.1 R86.2 SW5.1 SW5.2 | length 13.4
  Top Layer w0.127: SW5.2@138,62.7 SW5.2@138.013,62.7 ; R84.1@141.3,59.975 R86.2@139.025,59.975 139.025,61 138.65,61.375 138.65,62.063 SW5.2@138.013,62.7 ; SW5.1@146,62.7 SW5.2@138.013,62.7
OSC_25M: U2.32 X1.3 | length 7.5
  Top Layer w0.127: X1.3@62.325,42.275 62.35,42.25 U2.32@69.8,42.25
POT1: R60.1 U2.27 | length 53.8
  Top Layer w0.127: R60.1@38.875,56.05 v1(40,56.05) ; U2.27@69.8,44.75 71.875,44.75 72.125,45 v1(74,45)
  Signal 2 w0.127: v1(40,56.05) 48.275,56.05 52.45,60.225 58.875,60.225 60.7,58.4 60.7,47.65 63.35,45 v1(74,45)
POT2: R64.1 U2.28 | length 59.1
  Top Layer w0.127: R64.1@38.875,33.975 v1(40,33.975) ; U2.28@69.8,44.25 72.225,44.25 72.525,44.55 73.45,44.55 v1(74,44)
  Signal 2 w0.127: v1(40,33.975) 40,29.925 43.6,26.325 54.626,26.325 59.15,30.849 59.15,40.641 60.48,41.97 60.494,41.956 73.357,41.956 74,42.6 v1(74,44)
POT3: R73.1 U2.29 | length 29.2
  Top Layer w0.127: R73.1@57.925,56.025 v1(59.05,56.025) ; U2.29@69.8,43.75 72.622,43.75 72.872,44 v1(73,44)
  Signal 2 w0.127: v1(59.05,56.025) 59.05,46.1 61.15,44 v1(73,44)
POT4: R76.1 U2.30 | length 29.1
  Top Layer w0.127: v1(57.925,32.85) R76.1@57.925,33.975 ; U2.30@69.8,43.25 72.622,43.25 72.872,43 v1(73,43)
  Signal 2 w0.127: v1(57.925,32.85) 57.925,42.05 58.875,43 v1(73,43)
QSPI.CLK: U2.63 U6.6 | length 139.3
  Top Layer w0.127: v1(77.25,21.75) U2.63@77.25,29.8
  Signal 2 w0.127: v1(12.925,9.405) 14.525,9.405 14.589,9.405 14.722,9.538 14.722,11.812 14.855,11.945 14.97,11.945 15.103,11.812 15.103,6.998 15.236,6.865 15.351,6.865 15.484,6.998 15.484,11.812 15.617,11.945 15.732,11.945 15.865,11.812 15.865,6.998 15.998,6.865 16.113,6.865 16.246,6.998 16.246,11.812 16.379,11.945 16.494,11.945 16.627,11.812 16.627,7.179 16.76,7.046 16.875,7.046 17.008,7.179 17.008,9.272 17.141,9.405 18.304,9.405 18.43,9.405 21.225,12.2 24.1,12.2 24.525,11.775 24.525,10.634 24.066,10.175 22.525,10.175 22.075,9.725 22.075,3.85 23.325,2.6 77.275,2.6 79.775,5.1 79.775,20.95 78.975,21.75 v1(77.25,21.75)
  Bottom Layer w0.127: v1@12.935,9.415 U6.6@14.4,9.415
QSPI.D0: U2.111 U6.5 | length 139.3
  Top Layer w0.127: U2.111@100.2,35.25 100.25,35.2 102.175,35.2 v1(102.225,35.15)
  Signal 2 w0.127: v1(12.925,8.135) 12.925,6.775 12.925,5.592 13.058,5.459 14.288,5.459 14.421,5.326 14.421,5.211 14.288,5.078 10.737,5.078 10.604,4.945 10.604,4.83 10.737,4.697 12.792,4.697 12.925,4.564 12.925,4.5 12.925,3.939 14.772,2.092 101.792,2.092 103.525,3.825 103.525,34.625 103,35.15 v1(102.225,35.15)
  Bottom Layer w0.127: v1@12.935,8.145 U6.5@14.4,8.145
QSPI.D1: U2.112 U6.2 | length 139.3
  Top Layer w0.127: U2.112@100.2,35.75 102.575,35.75 102.9,35.425 v1(102.9,34.425)
  Signal 2 w0.127: v1(23.675,10.695) 23.645,10.725 21.575,10.725 20.825,9.975 20.825,4.5 22.979,2.346 101.071,2.346 102.9,4.175 102.9,5.1 102.9,5.74 103.033,5.873 103.09,5.873 103.223,6.006 103.223,6.121 103.09,6.254 100.493,6.254 100.36,6.387 100.36,6.502 100.493,6.635 103.138,6.635 103.271,6.768 103.271,6.883 103.138,7.016 100.493,7.016 100.36,7.149 100.36,7.264 100.493,7.397 103.138,7.397 103.271,7.53 103.271,7.645 103.138,7.778 103.033,7.778 102.9,7.911 102.9,7.975 v1(102.9,34.425)
  Bottom Layer w0.127: U6.2@22.2,10.685 v1@23.665,10.685
QSPI.D2: U2.1 U6.3 | length 119
  Top Layer w0.127: v1(68.203,57.703) 68.25,57.75 U2.1@69.8,57.75
  Signal 1 w0.127: v1(23.675,9.425) 24.375,9.425 25.1,10.15 25.1,14.3 22.175,17.225 22.175,63.45 28.25,69.525 66.95,69.525 68.25,68.225 68.25,63.3 68.25,59.95 68.25,57.75 v1(68.203,57.703)
  Bottom Layer w0.127: U6.3@22.2,9.415 v1@23.665,9.415
QSPI.D3: U2.113 U6.7 | length 142.4
  Top Layer w0.127: U2.113@100.2,36.25 103.65,36.25 104,35.9 v1(104,35.15)
  Signal 2 w0.127: v1(12.925,10.675) 11.025,10.675 10.35,10 10.35,3.325 11.837,1.838 102.413,1.838 104,3.425 v1(104,35.15)
  Bottom Layer w0.127: v1(12.925,10.675) 12.935,10.685 U6.7@14.4,10.685
QSPI.NCS: R48.1 U2.195 U6.1 | length 122.4
  Top Layer w0.127: U2.195@78.75,60.2 v1(78.75,61.75)
  Signal 1 w0.127: v1(22.3,16.3) 21.921,16.679 21.921,63.555 28.145,69.779 73.125,69.779 73.925,68.979 73.925,61.375 75.175,60.125 77.975,60.125 78.75,60.9 v1(78.75,61.75)
  Bottom Layer w0.127: U6.1@22.2,11.955 22.2,14.825 R48.1@22.3,14.925 v1(22.3,16.3)
USB_FS.D_N: J6.2 U2.145 | length 120.6
  Top Layer w0.127: J6.2@5.575,44.35 5.662,44.436 7.324,44.436 9.501,44.436 9.575,44.362 v1@9.575,44.311 ; v1@95.225,52.136 95.353,52.136 95.478,52.261 98.101,52.261 100.188,52.261 U2.145@100.2,52.25
  Bottom Layer w0.127: v1(9.575,44.261) 9.703,44.261 9.878,44.436 34.611,44.436 41.977,51.802 41.977,61.852 45.2,65.075 69.099,65.075 70.923,63.251 70.923,53.202 71.864,52.261 94.922,52.261 95.097,52.086 v1(95.225,52.086)
USB_FS.D_P: J6.3 U2.146 | length 120.6
  Top Layer w0.127: J6.3@5.575,45 5.661,44.913 7.521,44.913 9.501,44.913 9.501,44.964 v1@9.575,45.038 ; v1@95.225,52.863 95.353,52.863 95.478,52.738 97.903,52.738 100.189,52.738 U2.146@100.2,52.75
  Bottom Layer w0.127: v1(9.575,45.088) 9.703,45.088 9.878,44.913 34.413,44.913 41.5,52 41.5,62.05 45.002,65.552 69.296,65.552 71.4,63.448 71.4,53.4 72.062,52.738 94.922,52.738 95.097,52.913 v1(95.225,52.913)
USB_FS.ID: J6.4 U2.144 | length 125.7
  Top Layer w0.127: v1(95.225,50.95) 95.275,50.95 96.075,51.75 U2.144@100.2,51.75
  Top Layer w0.2: J6.4@5.575,45.65 12.947,45.65 v1(13.836,46.539)
  Bottom Layer w0.127: v1(13.836,46.539) 13.927,46.449 13.927,46.273 14.8,45.4 34.125,45.4 41.075,52.35 41.075,62.8 44.125,65.85 69.925,65.85 71.654,64.121 71.654,54.396 72.85,53.2 94.5,53.2 95,53.7 95.725,53.7 96.225,53.2 96.225,51.55 95.715,51.04 95.315,51.04 v1(95.225,50.95)
VDD: C8.2 C9.2 C10.2 C11.2 C12.2 C13.2 C14.2 C15.2 C16.2 C17.2 C18.2 C19.2 C20.2 C21.2 C22.2 C23.2 C24.2 C25.2 C26.2 C27.2 C28.2 F3.1 L2.2 R7.2 R8.2 R9.2 R10.2 R12.2 U2.6 U2.15 U2.26 U2.39 U2.52 U2.59 U2.73 U2.83 U2.94 U2.103 U2.115 U2.124 U2.137 U2.150 U2.158 U2.171 U2.185 U2.204 | length 421
  Top Layer w0.2: C17.2@63.6,50.75 U2.15@69.8,50.75 ; v1(63.6,52.2) 63.6,52.95 64.6,53.95 C16.2@64.6,55.25 U2.6@69.8,55.25 ; C11.2@65.55,32.2 C11.2@65.6,32.25 U2.52@69.8,32.25 ; C14.2@65.6,45.25 U2.26@69.8,45.25 ; v1(67.05,38.75) U2.39@69.8,38.75 ; 70.175,70.35 70.175,75.25 73.65,78.725 79.025,78.725 80.368,77.382 80.368,67.351 79.742,66.725 R8.2@78.425,66.725 R7.2@78.425,68.125 ; v1(72.825,24.6) C10.2@75.25,24.6 ; U2.204@74.25,60.2 C28.2@74.25,66.875 ; U2.59@75.25,29.8 C10.2@75.25,24.6 ; v1(77.4,18) R10.2@75.95,18 75.95,21.725 76.425,22.2 76.425,24.483 76.308,24.6 C10.2@75.25,24.6 ; v1(80.8,24.6) C8.2@82.25,24.6 U2.73@82.25,29.8 ; v1(82.286,65.361) 83.711,65.361 C22.2@83.75,65.4 U2.185@83.75,60.2 ; C12.2@87.25,19.6 U2.83@87.25,29.8 ; U2.171@90.75,60.2 C23.2@90.75,65.4 ; 92.175,68.45 92.25,68.375 ; U2.94@92.75,29.8 C13.2@92.75,24.6 93.5,24.6 93.625,24.475 93.625,21.375 v1(93.575,21.325) ; v1(95.55,21.325) 95.55,24.025 96.125,24.6 C15.2@97.25,24.6 U2.103@97.25,29.8 ; U2.158@97.25,60.2 C24.2@97.25,65.4 ; U2.115@100.2,37.25 C26.2@106.4,37.25 ; U2.124@100.2,41.75 C21.2@106.4,41.75 ; U2.137@100.2,48.25 102.825,48.25 103.425,47.65 104.975,47.65 105.575,48.25 C19.2@106.4,48.25 ; U2.150@100.2,54.75 C25.2@103.4,54.75
  Top Layer w0.25: R9.2@76.9,16 v1(78.35,16) ; R12.2@78.9,11.1 v1(80.35,11.1)
  Top Layer w0.5: v1@78.425,63.825 R8.2@78.425,66.725 ; v1(96.975,80.8) v1(96.975,73.225) 96.975,72.15 99.675,69.45 99.675,65.825 99.25,65.4 C24.2@97.25,65.4 ; C25.2@103.4,54.75 103.4,61.85 v1(104.7,63.15) 104.719,63.169 104.79,63.169 104.791,63.17 108.457,63.17 108.75,62.877 108.75,56.05 109.525,55.275 109.525,51.475 109.275,51.225 107.825,51.225 106.4,49.8 C19.2@106.4,48.25 ; C26.2@106.4,37.25 C20.2@106.4,38.65 C21.2@106.4,41.75 C27.2@106.4,46.85
  Top Layer w0.6: C17.2@63.6,50.75 v1(63.6,52.2) ; C9.2@65.6,38.75 v1(67.05,38.75) ; C14.2@65.6,45.25 v1(65.6,46.7) ; v1(83.6,73.875) 85,75.275 90.375,75.275 91.2,74.45 91.2,69.425 92.175,68.45 ; C12.2@87.25,19.6 v1(88.7,19.6) ; C23.2@90.75,65.4 91.85,65.4 92.25,65.8 92.25,68.375 ; C27.2@106.4,46.85 C19.2@106.4,48.25
  Top Layer w0.7: F3.1@61.8,30.4 L2.2@61.8,32.625 ; v1(65.55,30.7) C11.2@65.55,32.2
  Top Layer w0.8: 70.175,70.35 70.175,63.794 70.644,63.325 v1(72.775,63.325) ; v1(71.425,70.825) 73.781,70.825 74.25,70.356 C28.2@74.25,66.875
  Top Layer w1: F3.1@61.8,30.4 65.25,30.4 v1(65.55,30.7)
  Signal 1 w0.2: v1(78.35,16) 79.575,16 80.35,15.225 v1(80.35,11.1)
  Signal 1 w0.25: v1(77.4,18) 78.1,18 78.35,17.75 v1(78.35,16)
  Signal 1 w1: v1(67.05,38.75) 67.05,32.2 v1(65.55,30.7) 65.575,30.675 65.575,29.45 66.375,28.65 66.375,25.3 67.075,24.6 v1(80.8,24.6) 80.8,20.85 82.05,19.6 v1(88.7,19.6) 88.7,20.6 89.425,21.325 v1(93.575,21.325) v1(95.55,21.325) ; v1(71.425,70.825) 77.35,70.825 78.439,69.736 v1(78.439,63.811) 79.411,63.811 80.961,65.361 v1(82.286,65.361) 82.286,72.561 v1(83.6,73.875) 90.525,80.8 v1(96.975,80.8)
  Signal 2 w0.2: v1(96.975,73.225) 96.975,72.3 98.05,71.225 102.4,71.225 104.7,68.925 v1(104.7,63.15)
  Signal 2 w1: v1(63.6,52.2) 63.6,53.675 65.075,55.15 69.6,55.15 72.775,58.325 v1(72.775,63.325)
  Bottom Layer w1: v1(63.6,52.2) 63.6,47.5 64.375,46.725 65.575,46.725 v1(65.6,46.7) 65.6,42.908 67.125,41.383 67.125,38.825 v1(67.05,38.75)
VDDA: C29.2 C30.2 L2.1 U2.41 U2.42 | length 12.2
  Top Layer w0.2: L2.1@61.8,34.025 C29.2@61.8,36.325 C30.2@61.8,37.725 61.825,37.75 U2.41@69.8,37.75 U2.42@69.8,37.25
pads on no net: J6. P1.37 P1.38 P1.39 P1.40 P1.S1 P1.S2 P2. P3.11 P3.17 P3.19 RT1. RT2. RT3. RT4. U1.5 U1.8 U2.2 U2.4 U2.5 U2.7 U2.8 U2.9 U2.10 U2.13 U2.31 U2.33 U2.35 U2.37 U2.43 U2.44 U2.45 U2.46 U2.50 U2.56 U2.57 U2.58 U2.61 U2.62 U2.96 U2.99 U2.100 U2.101 U2.102 U2.106 U2.107 U2.129 U2.130 U2.133 U2.134 U2.140 U2.141 U2.143 U2.151 U2.152 U2.153 U2.154 U2.155 U2.156 U2.157 U2.162 U2.166 U2.173 U2.174 U2.178 U2.179 U2.180 U2.182 U2.183 U2.186 U2.194 U2.205 U2.206 U2.207 U2.208 U5.14 U5.30 U5.57 U5.69 U5.70 U5.73 U6.9

## Polygon pours and split planes (outlines as drawn)
GND on Top Layer "NONET_L01_P013" (solid, shelved, pour order 13): 0,90 150,90 150,0 0,0
GND on Signal 2 "NONET_L03_P015" (solid, shelved, pour order 15): 0,90 150,90 150,0 0,0
GND on Bottom Layer "NONET_L04_P016" (solid, shelved, pour order 16): 0,90 150,90 150,0 0,0
+3V3 on Signal 1 "NONET_L02_P012" (solid, shelved, pour order 12): 0,90 150,90 150,0 0,0

## Silkscreen, mask and mechanical layers (free items; w line width, h text height)
Top Overlay:
  text "Voltage input / 9V - 12V" at 9.425,84.05 h1.52
  text "Input" at 138.888,81.654 h1.52 r90
  text "JTAG" at 51.779,78.079 h1.52
  text "USB" at 11.696,37.904 h1.52 r90
  text "Designer: Mateusz Kowalczyk / Project: STM32 DSP Board / Version: 1 / Date: 26.03.2021" at 128.05,26.25 h1 r90
  text "I2C" at 12.221,15.654 h1.52 r90
  text "Reset" at 84.471,5.129 h1.52 r90
  text "Output" at 138.313,2.554 h1.52 r90
Dimensions:
  the board outline again, w0.1

## Text inside footprints (layer, text, board x,y; h text height)
P3: Top Overlay "GND" at 78.025,87.75 h0.5; Top Overlay "GND" at 75.35,87.75 h0.5; Top Overlay "GND" at 72.775,87.75 h0.5; Top Overlay "GND" at 70.25,87.75 h0.5; Top Overlay "GND" at 67.7,87.75 h0.5; Top Overlay "GND" at 65.225,87.75 h0.5; Top Overlay "GND" at 62.55,87.75 h0.5; Top Overlay "GND" at 60.15,87.75 h0.5; Top Overlay "GND" at 57.525,87.75 h0.5; Top Overlay "TRST" at 54.675,87.75 h0.5; Top Overlay "nRST" at 72.525,81.65 h0.5; Top Overlay "TDO" at 69.975,81.6 h0.5; Top Overlay "TCK" at 65.175,81.725 h0.5; Top Overlay "TMS" at 62.275,81.725 h0.5; Top Overlay "TDI" at 60.1,81.65 h0.5; Top Overlay "TRST" at 57.2,81.575 h0.5; Top Overlay "VCC" at 54.975,81.6 h0.5; Top Overlay "1" at 53.9,83.225 h1.27; Top Overlay "2" at 53.68,85.362 h1.27; Top Overlay "20" at 80.525,85.475 h1.27; Top Overlay "19" at 80.625,82.85 h1.27
P4: Top Overlay "1" at 4.185,30.545 h1.27 r270
SW3: Top Overlay "Footswitch" at 143.65,41.15 h0.8 r90